# Altium PCB R45_Driver.PcbDoc (part 1 of 2)
Units mm, origin at the board's own origin, x right, y up, seen from the top; angles counter-clockwise.
Board outline 52 x 58.5 mm, 4 copper layers (Top Layer, Layer 1, Layer 2, Bottom Layer), stack 0.742 mm thick; 138 components, 86 nets, 412 pads, 530 vias.
Unrouted connection lines stored in the file: 10.
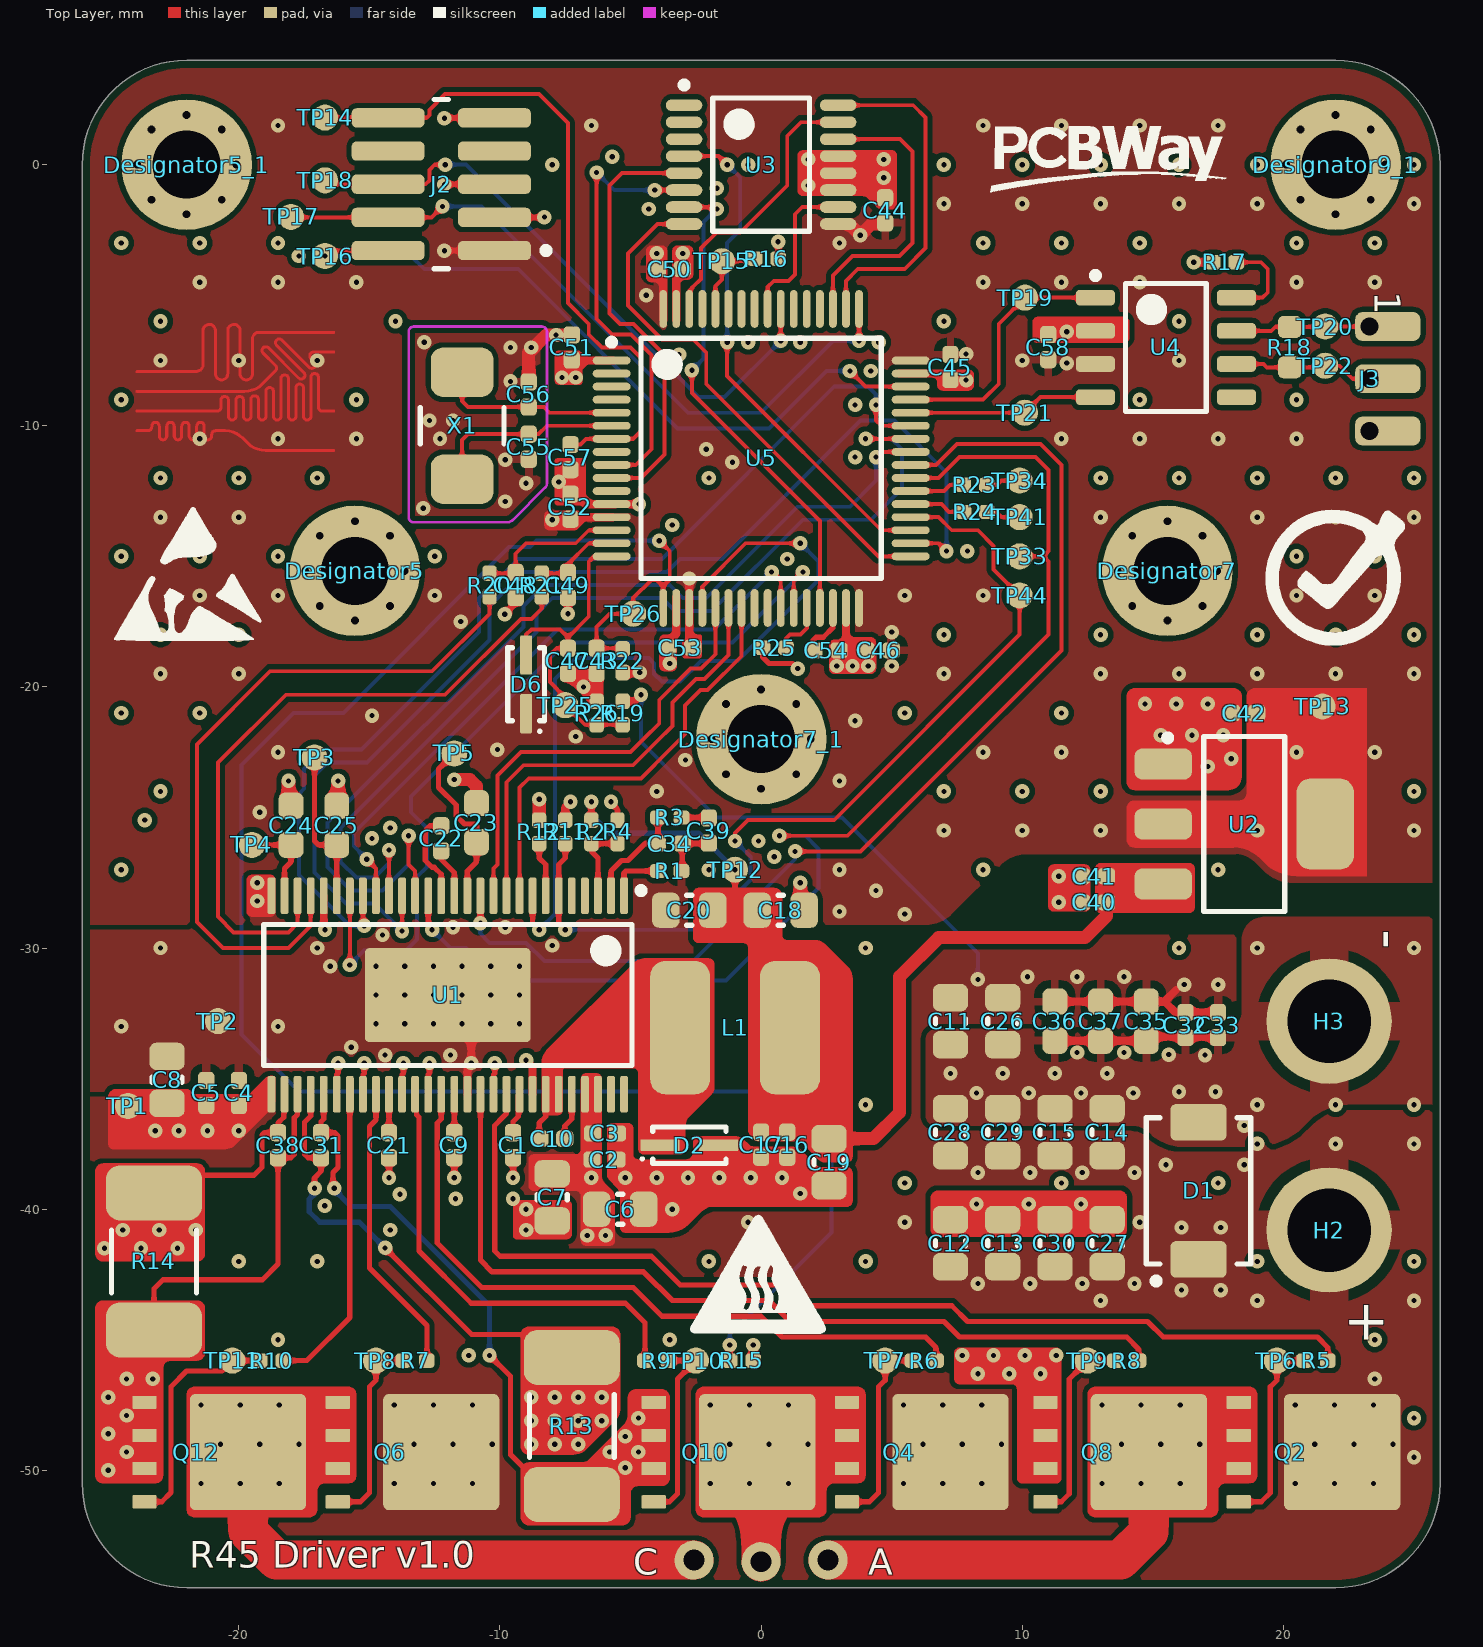
[diagram p0: Top Layer view]
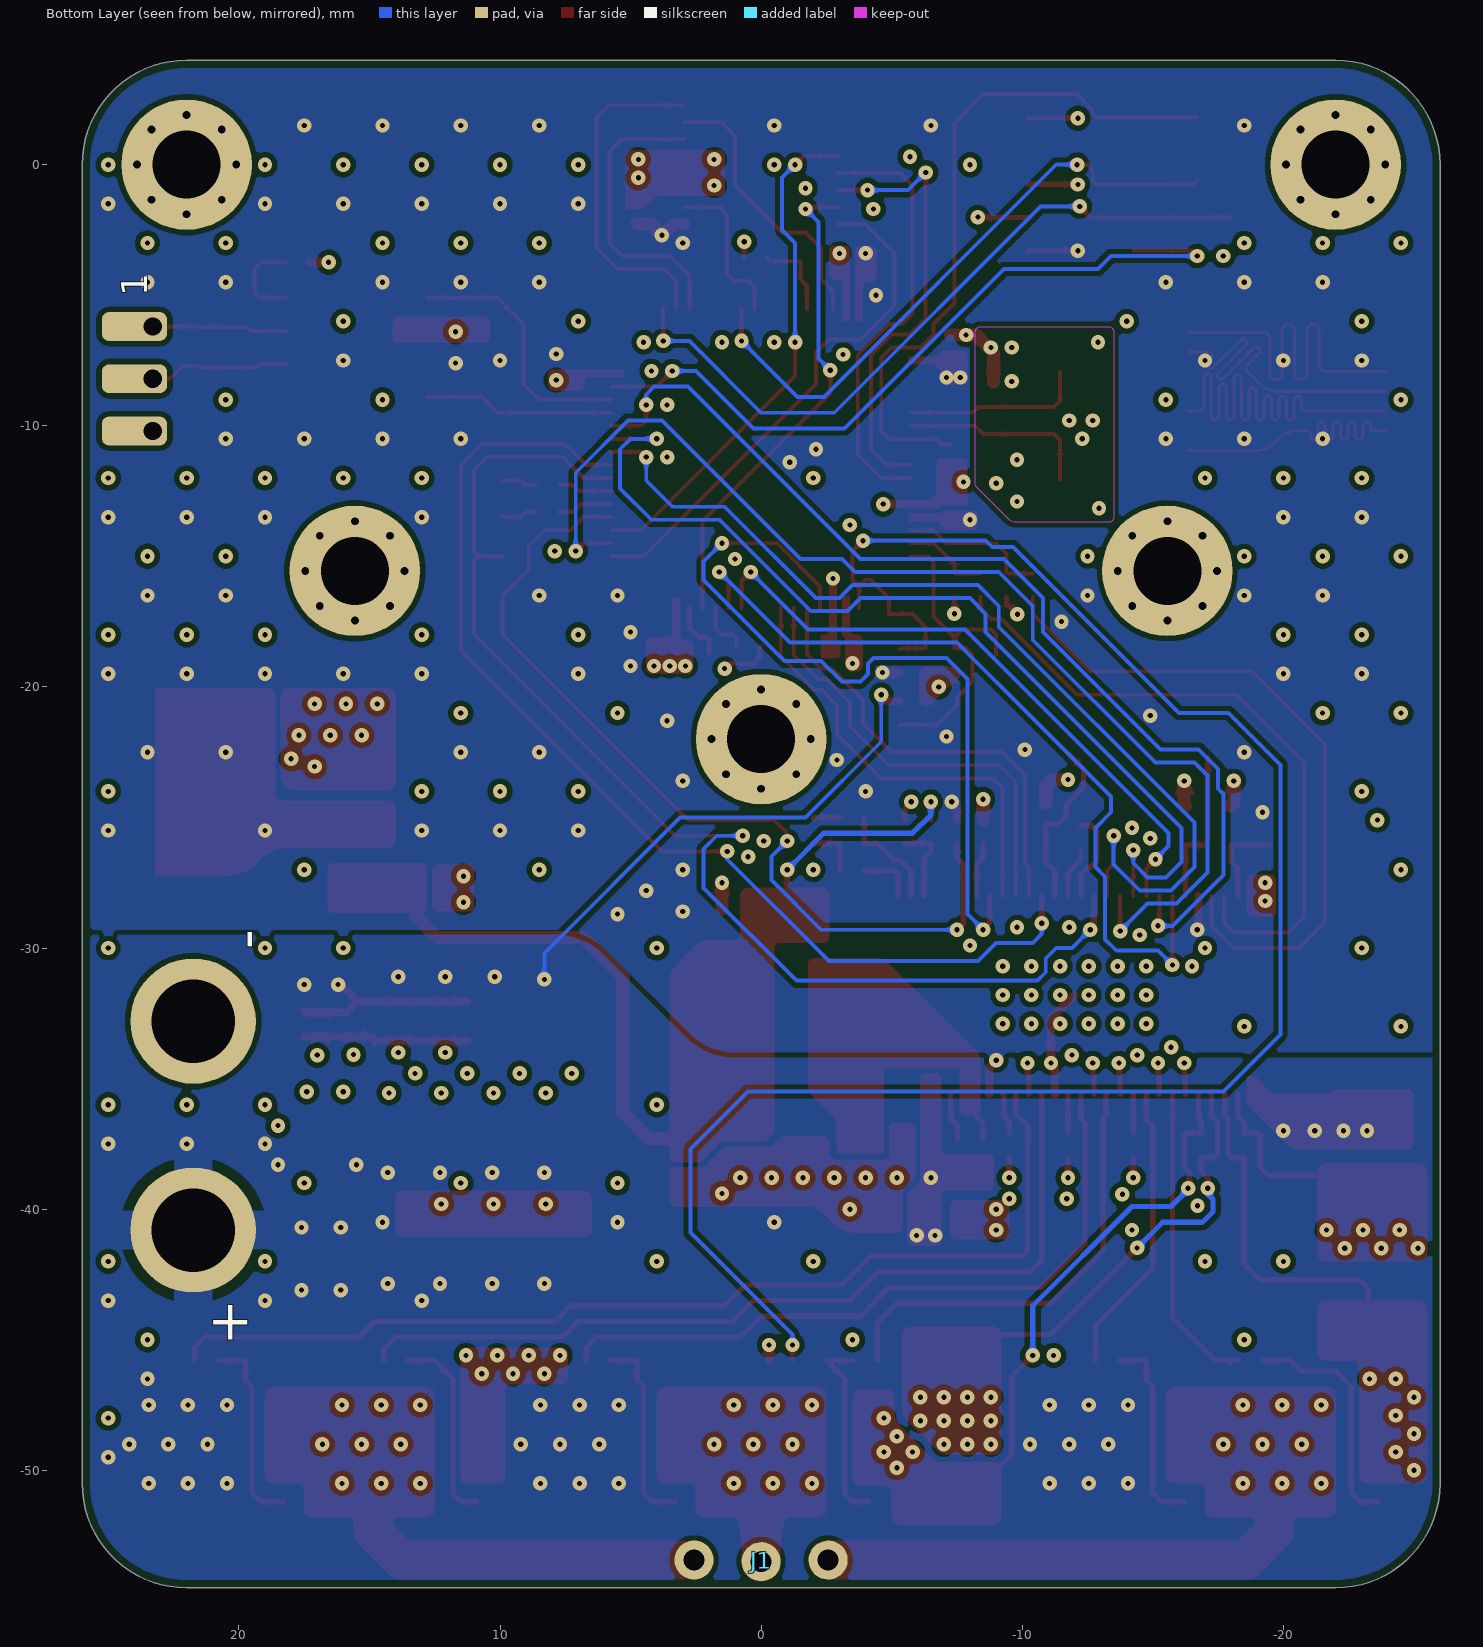
[diagram p1: Bottom Layer view, seen from below]
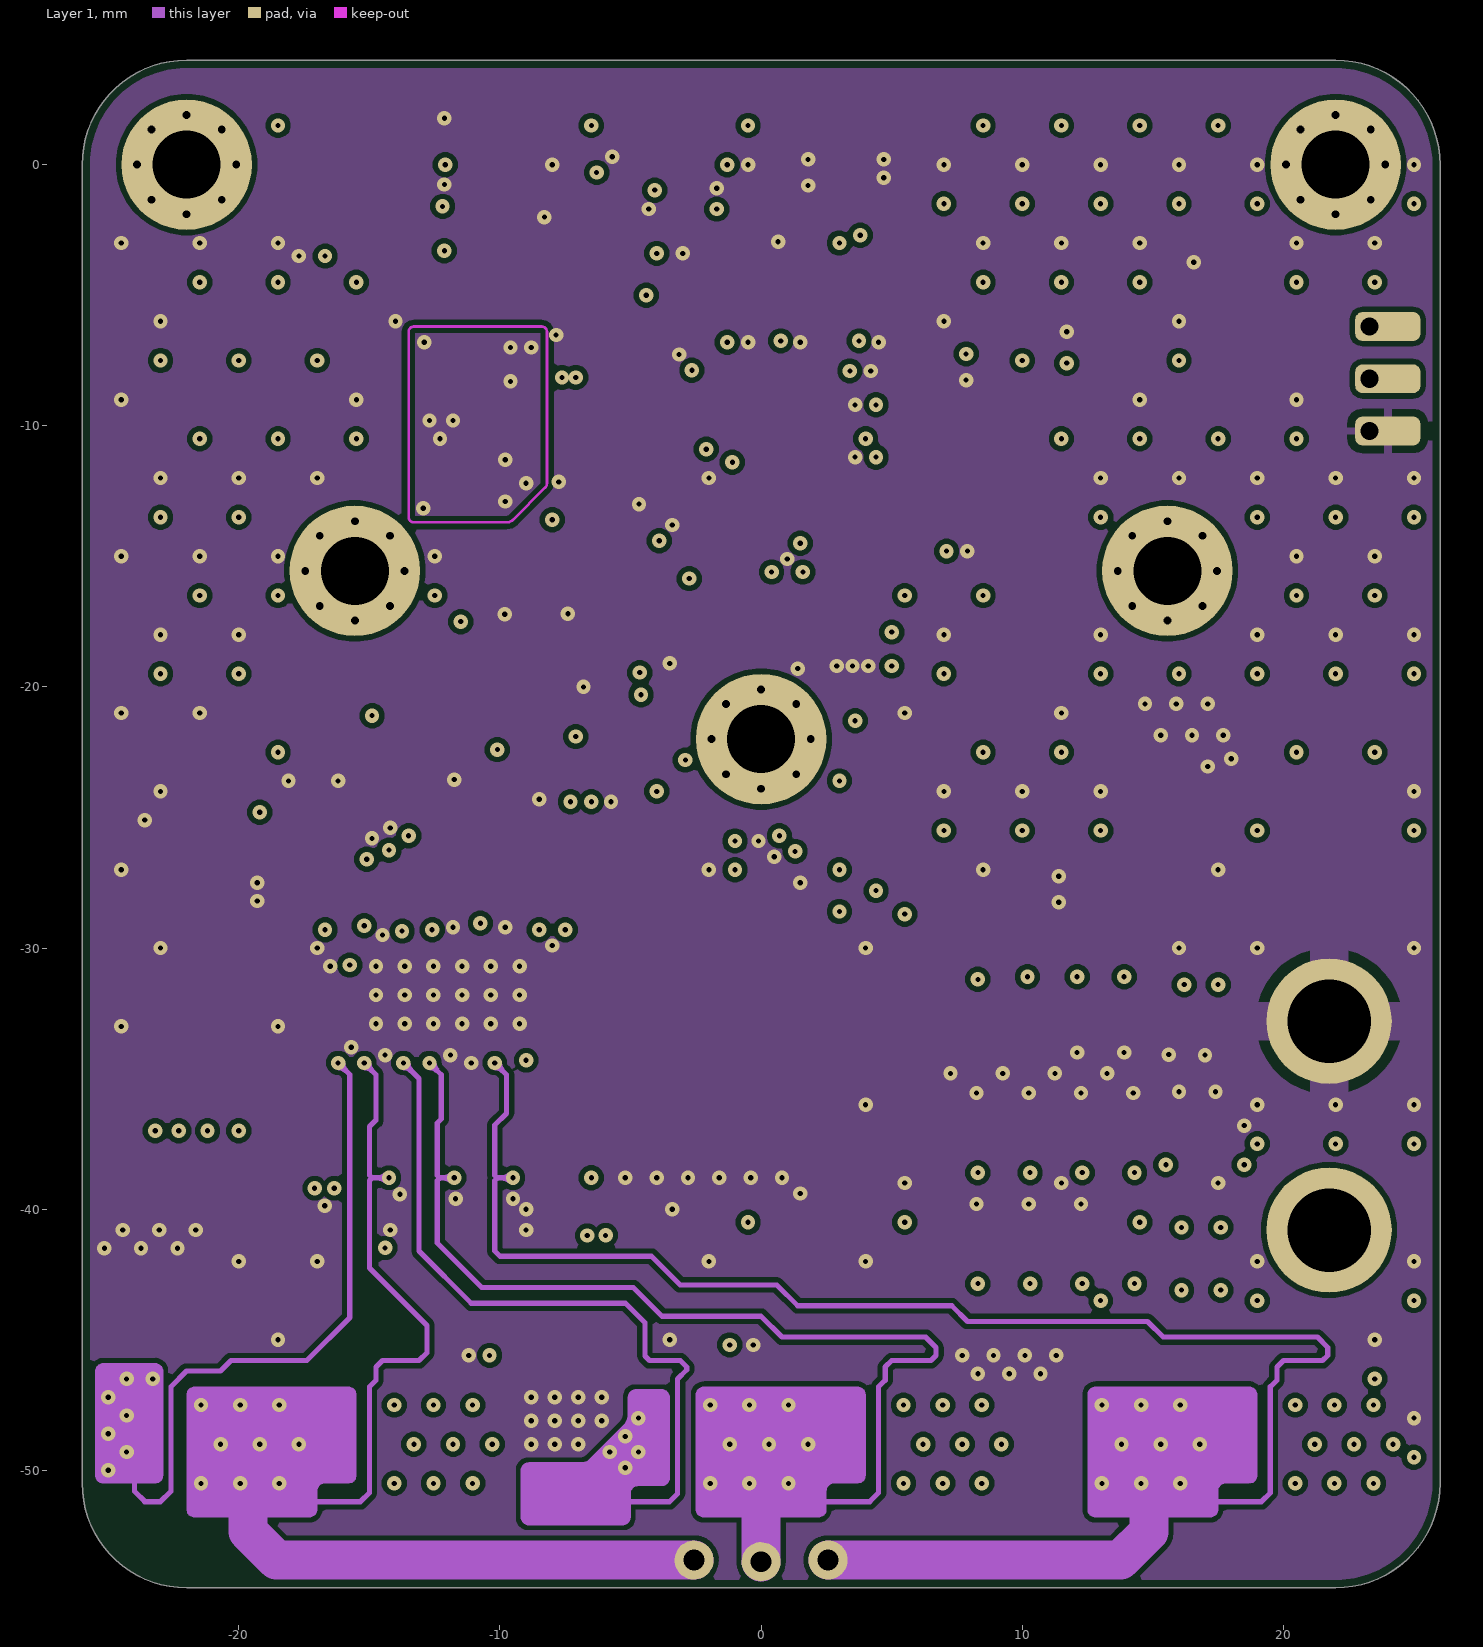
[diagram p2: Layer 1]
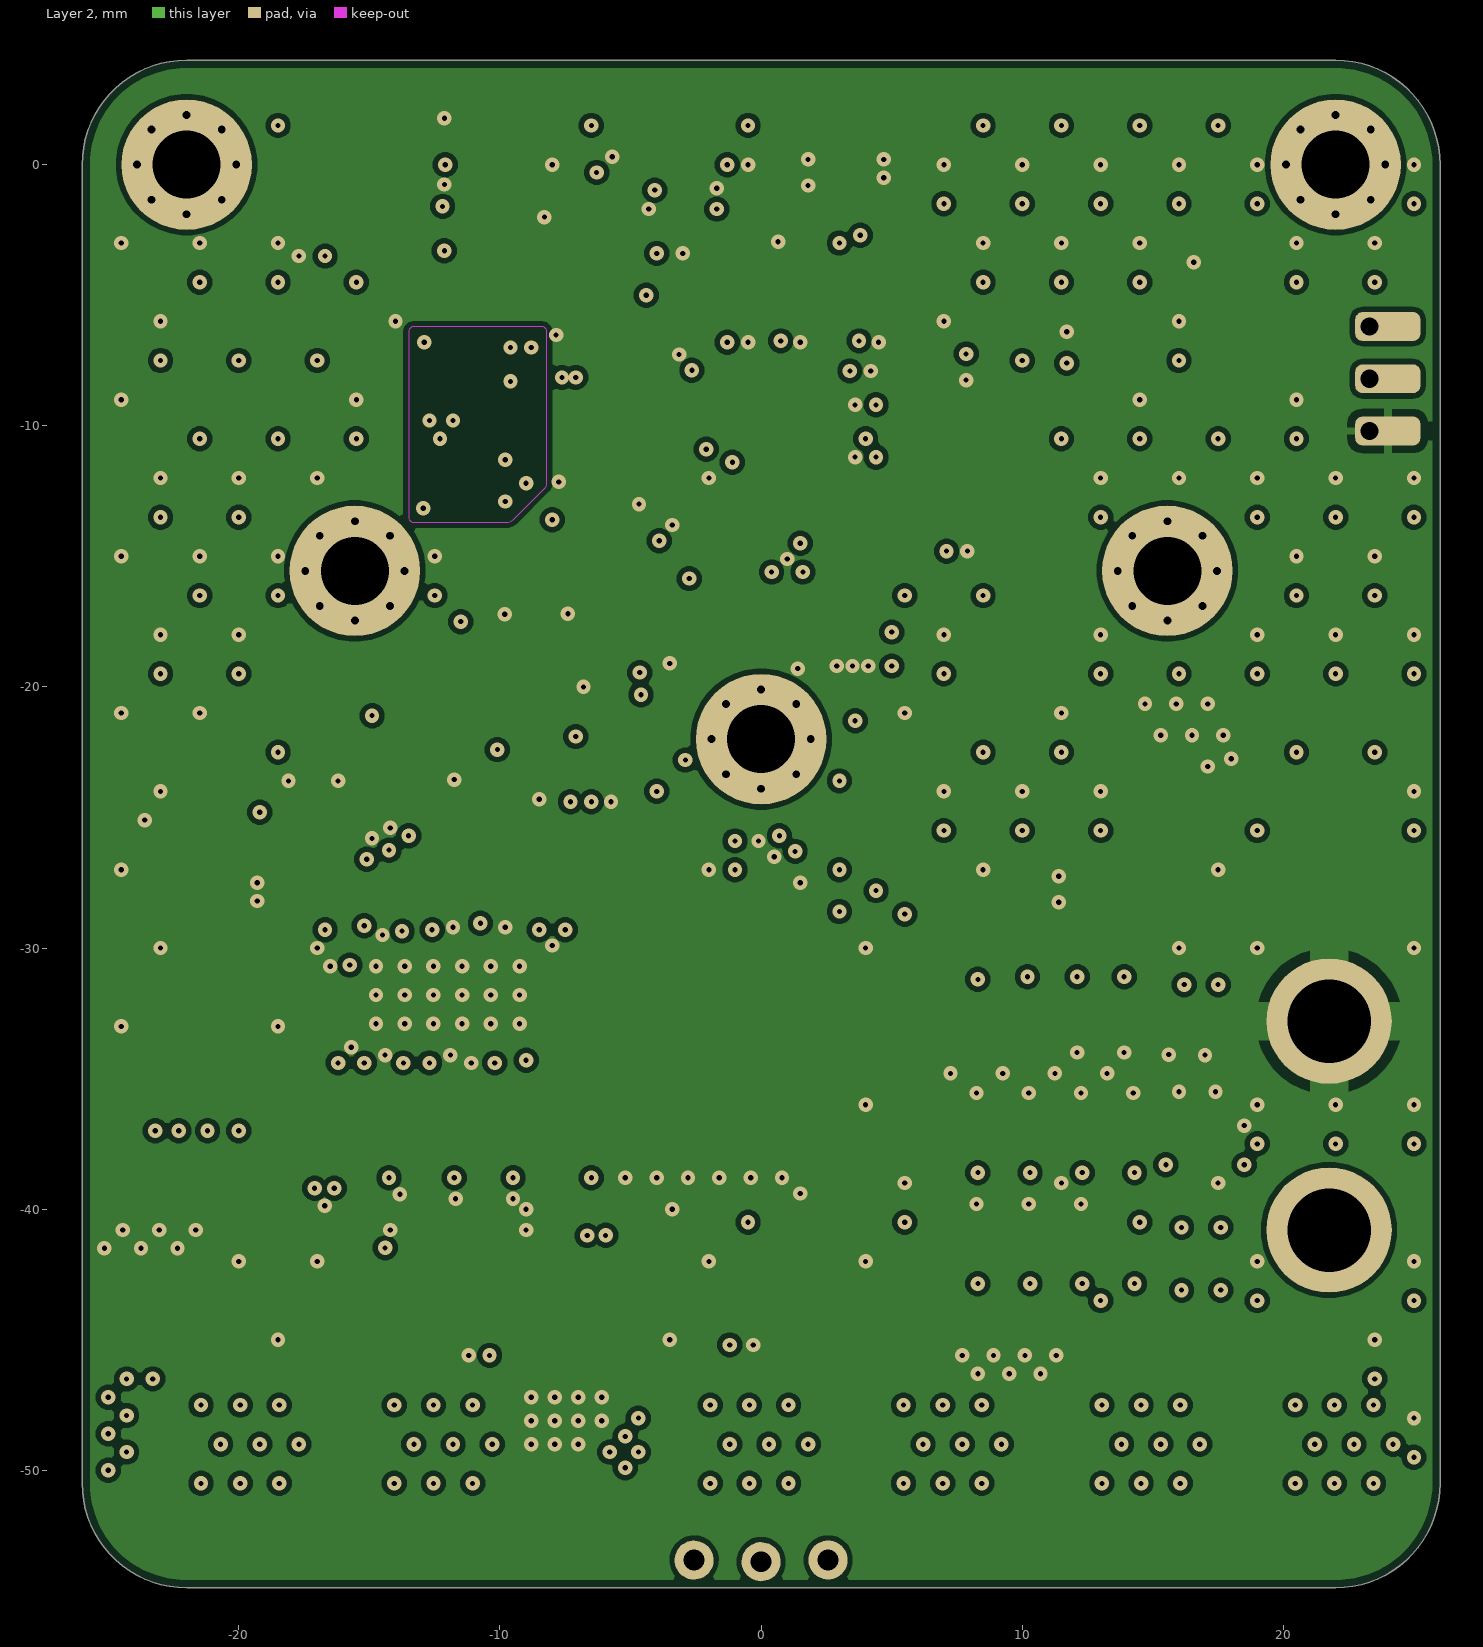
[diagram p3: Layer 2]
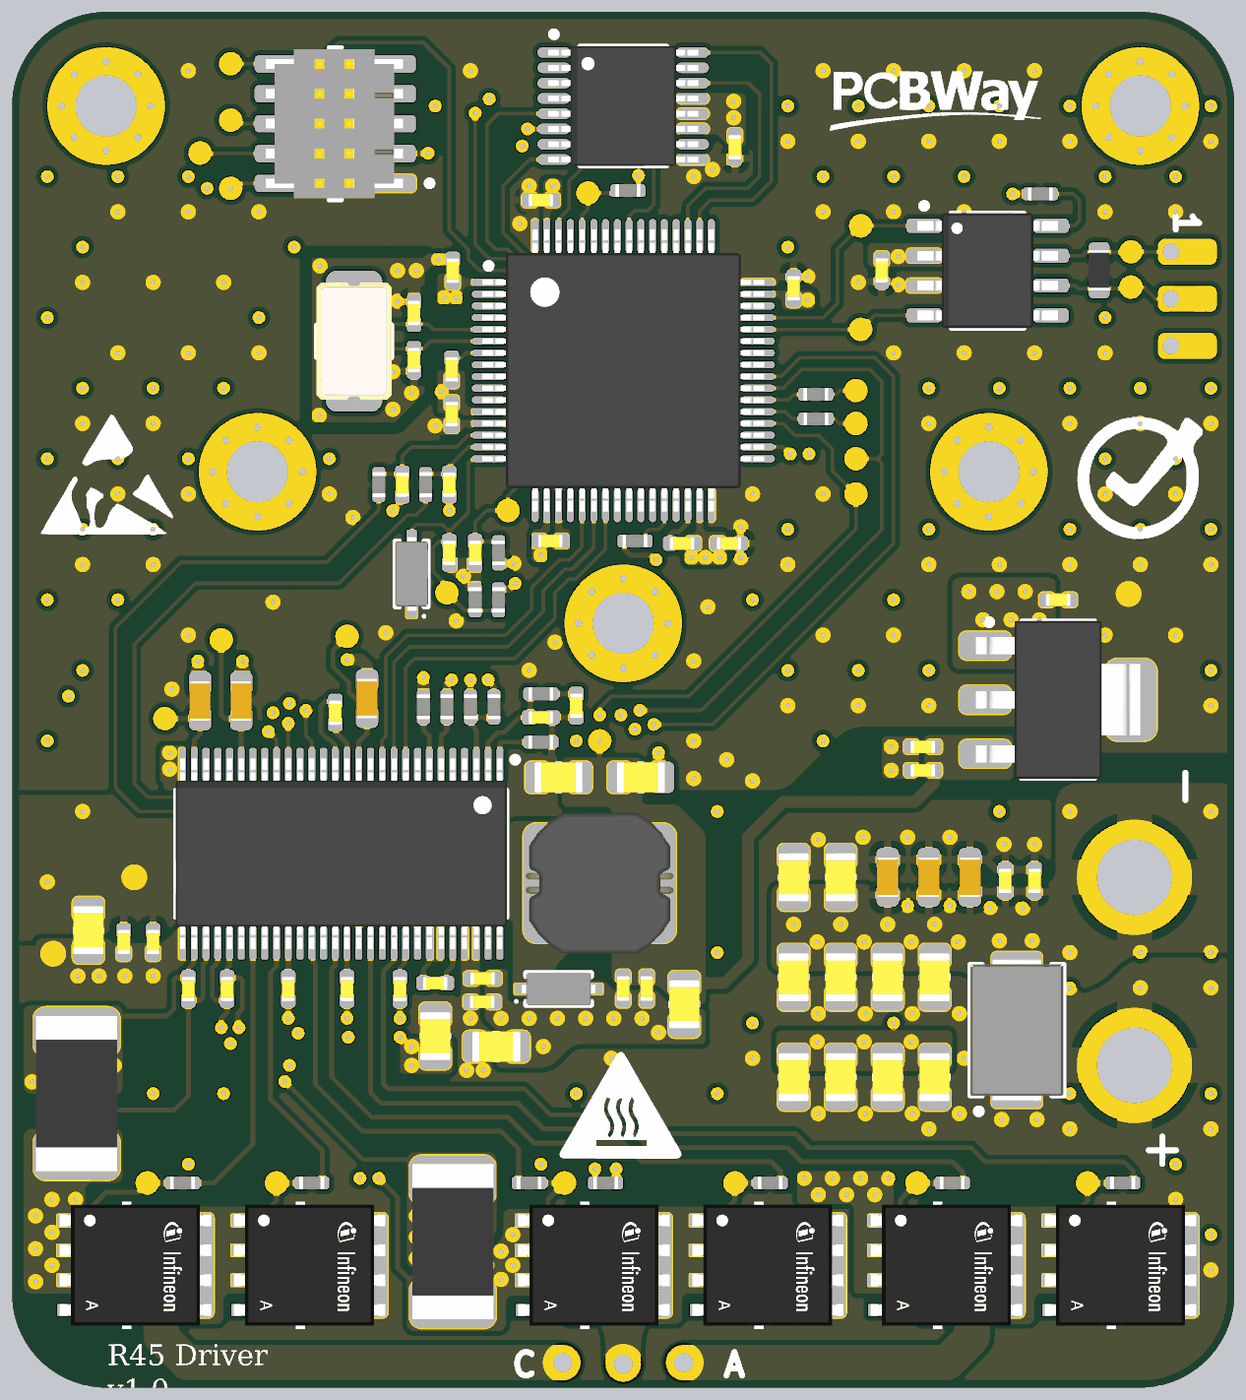
[diagram p5: 3D render of the assembled board from above, using the file's embedded part models]

## Layer stack, top to bottom
Top Solder: solder mask 0.0102, Solder Resist, Dk 3.5
Top Layer: signal copper 0.0356
Dielectric 2: prepreg 0.1855, PP-006, Dk 4.74
Layer 1: signal copper 0.035
Dielectric 1: dielectric 0.23, FR-4, Dk 4.6
Layer 2: signal copper 0.035
Dielectric 3: prepreg 0.1855, PP-006, Dk 4.74
Bottom Layer: signal copper 0.0356
Bottom Solder: solder mask 0.0102, Solder Resist, Dk 3.5

## Board outline
-22,-54.5 cw(c-22,-50.5) -26,-50.5 -26,0 cw(c-22,0) -22,4 22,4 cw(c22,0) 26,0 26,-50.5 cw(c22,-50.5) 22,-54.5

## Design rules (kind name [scope] priority, off if disabled: settings)
BoardOutlineClearance [(not InNet('PH*')) and (not IsText)] p1: gap=0.3 ignorepadtopadclearanceinfootprint=FALSE
Clearance Clearance_1 [All vs not WithinRoom('driver')] p1: gap=0.2 ignorepadtopadclearanceinfootprint=FALSE
Clearance Clearance_HV [InNetClass('HV') vs not InNetClass('HV') and not WithinRoom('driver')] p2: gap=0.3 ignorepadtopadclearanceinfootprint=FALSE
Clearance [All] p3: gap=0.15 ignorepadtopadclearanceinfootprint=FALSE
ComponentClearance ComponentClearance_1 [HasFootprint('R45_connector')] p1: gap=-1 collisioncheckmode=3 verticalgap=-1 showdistances=FALSE
ComponentClearance [not HasFootprint('R45_connector')] p2: gap=0.254 collisioncheckmode=3 verticalgap=0.254 showdistances=FALSE
DiffPairsRouting [All] p1: maxlimit=0.268 minlimit=0.127 mostfreqgap=0.268 toplayer_mingap=0.268 toplayer_minwidth=0.15 toplayer_maxwidth=0.15 toplayer_prefwidth=0.15 midlayer1_maxgap=0.127 midlayer1_prefgap=0.127 midlayer1_minwidth=0.02 midlayer1_maxwidth=0.02 midlayer1_prefwidth=0.02 midlayer2_maxgap=0.127 midlayer2_prefgap=0.127 midlayer2_minwidth=0.02 midlayer2_maxwidth=0.02 midlayer2_prefwidth=0.02 bottomlayer_mingap=0.268 bottomlayer_minwidth=0.15 bottomlayer_maxwidth=0.15 bottomlayer_prefwidth=0.15 impedanceprofiledriven=TRUE impedanceprofileid={86583FDC-5961-4A25-9AD1-40B6328E836E} impedanceprofilevalue=120.000000 maxuncoupledlength=12.7
HoleSize [All] p1: absolutevalues=TRUE maxlimit=10 minlimit=0.2 maxpercent=80.000 minpercent=20.000
MinimumSolderMaskSliver [All] p1: minsoldermaskwidth=0.1
PolygonConnect PolygonConnect_TR [HasFootprint('C0402') or HasFootprint('C0603') or HasFootprint('R*') or IsThruPin] p1: connectstyle=Relief reliefconductorwidth=0.3 reliefentries=4 polygonreliefangle="90 Angle" airgapwidth=0.3
PolygonConnect [All] p2: connectstyle=Direct reliefconductorwidth=0.254 reliefentries=4 polygonreliefangle="90 Angle" airgapwidth=0.254
RoomDefinition driver [InComponentClass('Components Class8') vs False] p1: confinementstyle=ConfineIn formatcopy=TRUE lockcomponents=FALSE outline -26.8,-26.5 3.6,-26.5 3.6,-42.1 -26.8,-42.1 -26.8,-27.585
RoutingVias [All] p1: holewidth=0.3 width=0.7 viastyle="Through Hole" minholewidth=0.2 minwidth=0.5 maxholewidth=0.3 maxwidth=0.7
ShortCircuit ShortCircuit_shunt [InNet('SP*') vs InNet('GND')] p1: allowed=TRUE
ShortCircuit ShortCircuit_shunt_1 [InNet('SN*') vs InNet('SL*')] p2: allowed=TRUE
ShortCircuit [All] p3: allowed=FALSE
SilkToSilkClearance [All] p1: silktosilkclearance=0
SilkToSolderMaskClearance [IsPad] p1: minsilkscreentomaskgap=0.15 clearancetoexposedcopper=TRUE
SolderMaskExpansion SolderMaskExpansion_via1 [IsVia and (ViaDiameter = 0.7)] p1: expansion=-0.2 istentingtop=FALSE
SolderMaskExpansion SolderMaskExpansion_via2 [IsVia and (ViaDiameter = 0.55)] p2: expansion=-0.175 istentingtop=FALSE
SolderMaskExpansion [All] p3: expansion=0.05 istentingtop=FALSE
SupplyNets "Schematic Supply Nets_3" [InNet('+VBUS')] p1: voltage=0.000
SupplyNets "Schematic Supply Nets_2" [InNet('+5V')] p2: voltage=0.000
SupplyNets "Schematic Supply Nets_1" [InNet('GND')] p3: voltage=0.000
SupplyNets "Schematic Supply Nets" [InNet('+3V3')] p4: voltage=0.000
UnRoutedNet [All] p1: checkbadconnections=TRUE
Width [All] p1: maxlimit=5 minlimit=0.15 preferedwidth=0.2
22 further rules are at their usual default settings.

## Classes and differential pairs
component class "Components Class8": C3 C4 C5 C8 C10 C18 C20 L1 R1 TP1 TP2 U1
net class GATE_S: MCU_AH MCU_AL MCU_BH MCU_BL MCU_CH MCU_CL
net class UART: MCU_UART6_RX MCU_UART6_TX
net class SWD: MCU_SWCLK MCU_SWDIO MCU_SWO
net class SPI: MCU_MISO MCU_MOSI MCU_SCK
net class CAN: CAN_n CAN_p CAN_RX CAN_TX
component class MCU: C45 C46 C50 C51 C52 C53 C54 C55 C56 C57 C58 J2 J3 R16 R17 R18 R23 R24 R25 TP14 TP15 TP16 TP17 TP18 TP19 TP20 TP21 TP22 TP25 TP26 TP33 TP34 TP41 TP44 U4 U5 X1
net class HV: +VBUS GH_A GH_B GH_C NetC10_1 NetQ2_4 NetQ4_4 NetQ6_4 PH_A PH_B PH_C
component class R45_Driver: C1 C2 C3 C4 C5 C6 C7 C8 C9 C10 C11 C12 C13 C14 C15 C16 C17 C18 C19 C20 C21 C22 C23 C24 C25 C26 C27 C28 C29 C30 C31 C32 C33 C34 C35 C36 C37 C38 C39 C40 C41 C42 C43 C44 C47 C48 C49 D1 D2 D6 H2 H3 J1 L1 Q2 Q4 Q6 Q8 Q10 Q12 R1 R2 R3 R4 R5 R6 R7 R8 R9 R10 R11 R12 R13 R14 R15 R19 R20 R21 R22 R26 TP1 TP2 TP3 TP4 TP5 TP6 TP7 TP8 TP9 TP10 TP11 TP12 TP13 U1 U2 U3
differential pair CAN: +CAN_p -CAN_n
